# Altium PCB power-v3.3.PcbDoc (part 1 of 3) (continued)
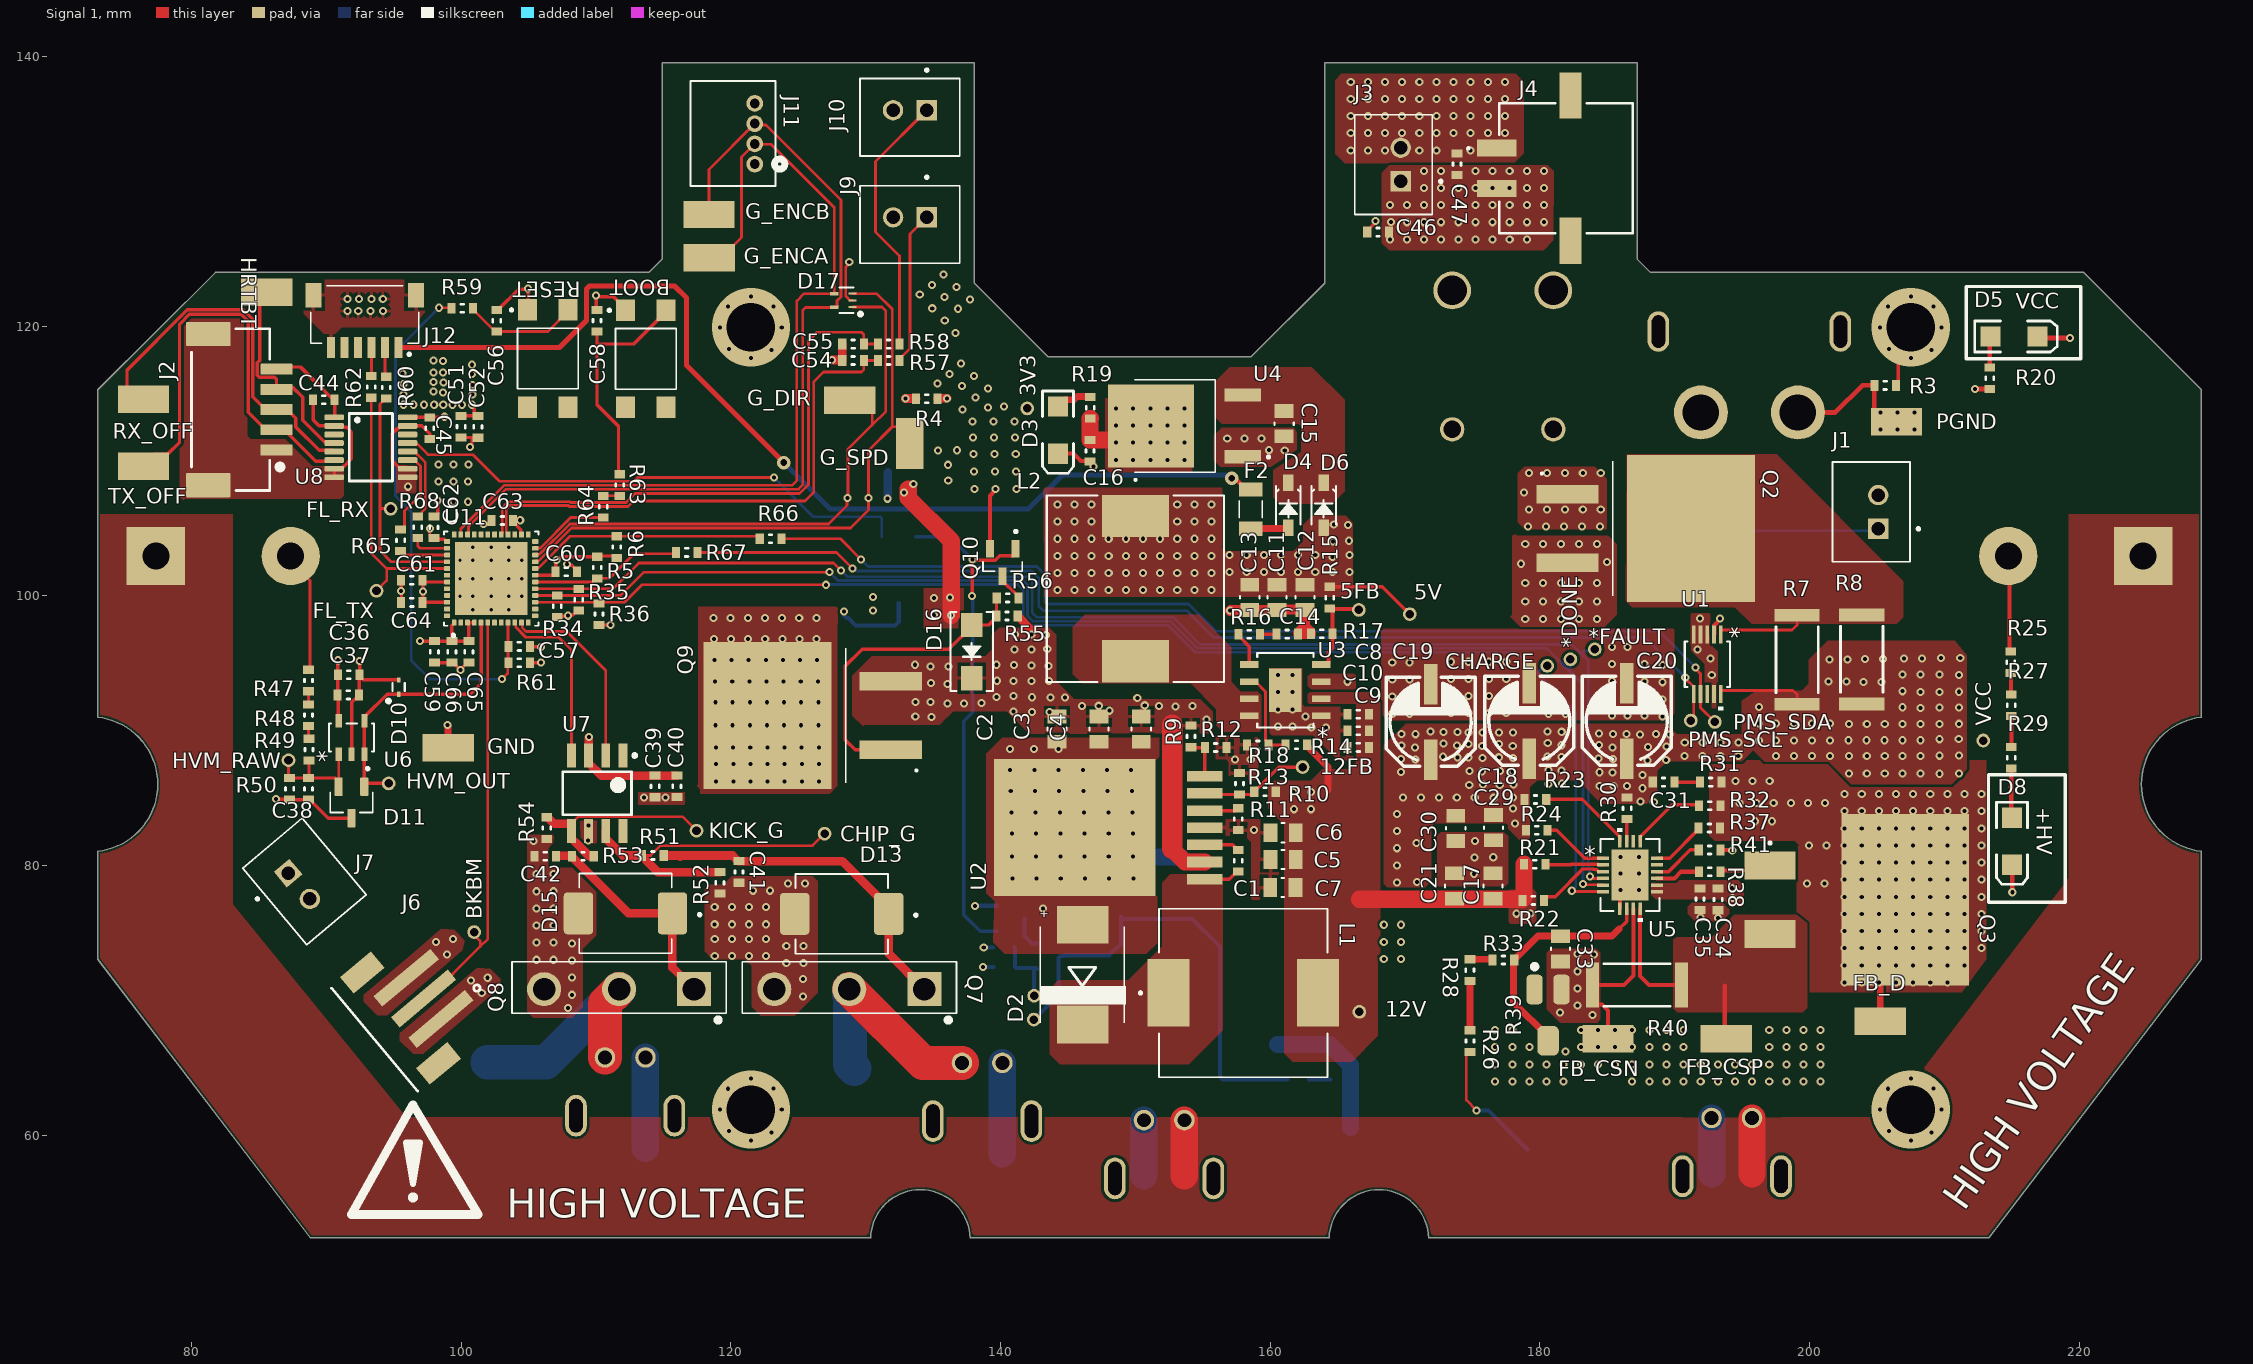
[diagram p0: Signal 1 view]
## Design rules (kind name [scope] priority, off if disabled: settings) (continued)
PolygonConnect "VCC MOS CONN" [All vs IsNamedPolygon('VCC_L01_P049')] p21: connectstyle=Direct reliefconductorwidth=0.254 reliefentries=4 polygonreliefangle="90 Angle" airgapwidth=0.254
PolygonConnect "PGND 12V" [All vs IsNamedPolygon('PGND_L01_P048')] p22: connectstyle=Direct reliefconductorwidth=0.254 reliefentries=4 polygonreliefangle="90 Angle" airgapwidth=0.254
PolygonConnect "VCC Conn n 12V" [All vs IsNamedPolygon('VCC_L01_P046')] p23: thpad.connectstyle=Direct thpad.reliefconductorwidth=0.254 thpad.reliefentries=4 thpad.polygonreliefangle="90 Angle" thpad.airgapwidth=0.254 smdpad.connectstyle=Relief smdpad.reliefconductorwidth=0.254 smdpad.reliefentries=4 smdpad.polygonreliefangle="90 Angle" smdpad.airgapwidth=0.254 via.connectstyle=Direct via.reliefconductorwidth=0.254 via.reliefentries=4 via.polygonreliefangle="90 Angle" via.airgapwidth=0.254
PolygonConnect "3V3 Full" [All vs IsNamedPolygon('3V3_L03_P027')] p24: thpad.connectstyle=Direct thpad.reliefconductorwidth=0.254 thpad.reliefentries=4 thpad.polygonreliefangle="90 Angle" thpad.airgapwidth=0.254 smdpad.connectstyle=Relief smdpad.reliefconductorwidth=0.254 smdpad.reliefentries=4 smdpad.polygonreliefangle="90 Angle" smdpad.airgapwidth=0.254 via.connectstyle=Direct via.reliefconductorwidth=0.254 via.reliefentries=4 via.polygonreliefangle="90 Angle" via.airgapwidth=0.254
PolygonConnect "VCC FULL" [All vs IsNamedPolygon('VCC_L03_P041')] p25: thpad.connectstyle=Direct thpad.reliefconductorwidth=0.254 thpad.reliefentries=4 thpad.polygonreliefangle="90 Angle" thpad.airgapwidth=0.254 smdpad.connectstyle=Relief smdpad.reliefconductorwidth=0.254 smdpad.reliefentries=4 smdpad.polygonreliefangle="90 Angle" smdpad.airgapwidth=0.254 via.connectstyle=Direct via.reliefconductorwidth=0.254 via.reliefentries=4 via.polygonreliefangle="90 Angle" via.airgapwidth=0.254
PolygonConnect "Power Input" [All vs IsNamedPolygon('NETD1_1_L01_P037') Or IsNamedPolygon('NETD1_2_L01_P034') Or IsNamedPolygon('VCC_L01_P042') Or IsNamedPolygon('VCC_RPP_L01_P038') Or IsNamedPolygon('NETD1_1_L04_P035') Or IsNamedPolygon('NETD1_2_L04_P033')] p26: connectstyle=Direct reliefconductorwidth=0.254 reliefentries=4 polygonreliefangle="90 Angle" airgapwidth=0.254
PolygonConnect "PGND FULL" [All vs IsNamedPolygon('PGND_L02_P004')] p27: connectstyle=Direct reliefconductorwidth=0.254 reliefentries=4 polygonreliefangle="90 Angle" airgapwidth=0.254
PolygonConnect "HV Bay" [All vs IsNamedPolygon('+HV_L03_P032')] p28: connectstyle=Direct reliefconductorwidth=0.254 reliefentries=4 polygonreliefangle="90 Angle" airgapwidth=0.254
PolygonConnect GND_Connect [All vs IsNamedPolygon('GND_L02_P005')] p29: connectstyle=Direct reliefconductorwidth=0.254 reliefentries=4 polygonreliefangle="90 Angle" airgapwidth=0.254
PolygonConnect GND_CONN [All vs IsNamedPolygon('GND_L01_P025') Or IsNamedPolygon('GND_L04_P024')] p30: connectstyle=Direct reliefconductorwidth=0.254 reliefentries=4 polygonreliefangle="90 Angle" airgapwidth=0.254
PolygonConnect PolygonConnect_1 [All vs IsNamedPolygon('5V_L03_P022') Or IsNamedPolygon('5V_L04_P023')] p31: connectstyle=Direct reliefconductorwidth=0.254 reliefentries=4 polygonreliefangle="90 Angle" airgapwidth=0.254
PolygonConnect VCC_PGND_CONN [All vs IsNamedPolygon('VCC_MOTOR_L01_P018') Or IsNamedPolygon('PGND_L02_P021') Or IsNamedPolygon('PGND_L04_P020') Or IsNamedPolygon('VCC_MOTOR_L04_P019')] p32: connectstyle=Direct reliefconductorwidth=0.254 reliefentries=4 polygonreliefangle="90 Angle" airgapwidth=0.254
PolygonConnect BARREL_GND [All vs IsNamedPolygon('GND_L04_P013') Or IsNamedPolygon('GND_L02_P014') Or IsNamedPolygon('GND_L01_P016') Or IsNamedPolygon('GND_L04_P015')] p33: connectstyle=Direct reliefconductorwidth=0.254 reliefentries=4 polygonreliefangle="90 Angle" airgapwidth=0.254
PolygonConnect "5V Reg Plane" [All vs IsNamedPolygon('5V_L01_P008') Or IsNamedPolygon('5V_L03_P006') Or IsNamedPolygon('5V_L03_P010') Or IsNamedPolygon('5V_L01_P011')] p34: connectstyle=Direct reliefconductorwidth=0.254 reliefentries=4 polygonreliefangle="90 Angle" airgapwidth=0.254
PolygonConnect [All] p35: connectstyle=Relief reliefconductorwidth=0.254 reliefentries=4 polygonreliefangle="90 Angle" airgapwidth=0.254
RoomDefinition U_power-input [InComponentClass('U_power-input')] p1: confinementstyle=ConfineIn formatcopy=TRUE lockcomponents=FALSE outline 245.613,139.039 250.67,133.983 250.67,41.582 56.906,41.582 48.631,49.857 48.631,150.072
RoomDefinition U_chicker [InComponentClass('U_chicker')] p2: confinementstyle=ConfineIn formatcopy=TRUE lockcomponents=FALSE outline 98,0 145,0 145,98 98,98
RoomDefinition U_geneva-interface [InComponentClass('U_geneva-interface')] p3: confinementstyle=ConfineIn formatcopy=TRUE lockcomponents=FALSE outline 113,107 139,107 139,145 113,145
RoomDefinition U_regulation [InComponentClass('U_regulation')] p4: confinementstyle=ConfineIn formatcopy=TRUE lockcomponents=FALSE outline 139,63 323,63 323,132 139,132
RoomDefinition U_Power-MCU-Breakout [InComponentClass('U_Power-MCU-Breakout')] p5: confinementstyle=ConfineIn formatcopy=TRUE lockcomponents=FALSE outline 59,47.822 183.616,47.822 183.616,142 59,142
RoomDefinition U_HV-Measurement [InComponentClass('U_HV-Measurement')] p6: confinementstyle=ConfineIn formatcopy=TRUE lockcomponents=FALSE outline 84,82 98,82 98,95 84,95
RoomDefinition U_flyback [InComponentClass('U_flyback')] p7: confinementstyle=ConfineIn formatcopy=TRUE lockcomponents=FALSE outline 68,7 307.222,7 307.222,117 68,117
RoomDefinition U_communication [InComponentClass('U_communication')] p8: confinementstyle=ConfineIn formatcopy=TRUE lockcomponents=FALSE outline 49.979,151.586 46.236,147.842 46.236,30.665 294.816,30.665 299.683,35.532 295.19,40.024 295.19,155.704
RoomDefinition U_breakbeam-interface [InComponentClass('U_breakbeam-interface')] p9: confinementstyle=ConfineIn formatcopy=TRUE lockcomponents=FALSE outline 58.17,59 253.918,59 253.918,149.326 58.17,149.326
RoomDefinition U_auto-discharge [InComponentClass('U_auto-discharge')] p10: confinementstyle=ConfineIn formatcopy=TRUE lockcomponents=FALSE outline 138,43 167,43 167,82 138,82
RoutingCorners [All] p1: cornerstyle=Round minsetback=2.54 maxsetback=2.54
RoutingVias [All] p1: holewidth=0.5 width=1 viastyle="Through Hole" minholewidth=0.2 minwidth=0.45 maxholewidth=1 maxwidth=2
SilkToSilkClearance [All] p1: silktosilkclearance=0.1
SilkToSolderMaskClearance [IsPad] p1: minsilkscreentomaskgap=0.1 clearancetoexposedcopper=TRUE
SolderMaskExpansion [All] p1: expansion=0.102 istentingtop=FALSE
Width [All] p1: maxlimit=5.08 minlimit=0.089 preferedwidth=0.381 minimp=50.000000 maximp=50.000000 favimp=50.000000
25 further rules are at their usual default settings.

## Classes and differential pairs
component class U_regulation: 3V3 5FB 5V 12FB 12V C1 C2 C3 C4 C5 C6 C7 C8 C9 C10 C11 C12 C13 C14 C15 C16 D2 D3 D4 D5 D6 F2 L1 L2 R9 R10 R11 R12 R13 R14 R15 R16 R17 R18 R19 R20 U2 U3 U4
component class U_Power-MCU-Breakout: BOOT C56 C57 C58 C59 C60 C61 C62 C63 C64 C65 C66 FL_RX FL_TX J12 R59 R60 R61 R62 R63 R64 R65 R68 RESET U11
component class U_power-input: D1 F1 GND J1 P1 PGND PMS_SCL PMS_SDA Q1 Q2 R1 R2 R3 R4 R5 R6 R7 R8 R66 R67 U1
component class U_HV-Measurement: C36 C37 C38 D10 D11 HVM_OUT HVM_RAW R47 R48 R49 R50 U6
component class U_geneva-interface: C54 C55 D17 G_DIR G_ENCA G_ENCB G_SPD J8 J9 J10 J11 R57 R58
component class U_flyback: 2 *DONE *FAULT +HV C17 C18 C19 C20 C21 C22 C23 C24 C25 C26 C27 C28 C29 C30 C31 C32 C33 C34 C35 CHARGE D7 D8 FB_CSN FB_CSP FB_D PHV1 PHV2 Q3 R21 R22 R23 R24 R25 R26 R27 R28 R29 R30 R31 R32 R33 R34 R35 R36 R37 R38 R39 R40 R41 T1 U5 VCC
component class U_communication: C44 C45 C46 C47 C48 C49 C50 C51 C52 C53 D16 HRTBT J2 J3 J4 J5 Q9 Q10 R55 R56 RX_OFF TX_OFF U8 U9
component class U_chicker: C39 C40 C41 C42 CHIP_G D12 D13 D14 D15 KICK_G P2 P3 Q7 Q8 R51 R52 R53 R54 U7
component class U_breakbeam-interface: BKBM J6 J7
component class U_auto-discharge: AD_D AD_VCC D9 Q4 Q5 Q6 R42 R43 R44 R45 R46

## Components (designator, comment, footprint, x,y, rotation, side; value= is the part's Value field where it differs from the comment)
3V3 "Test Point (Via)" TP 141.982,113.902 r90 top
5FB "Test Point (Via)" TP 166.568,98.963 r90 top
5V "Test Point (Via)" TP 170.347,98.653 r0 top
12FB "Test Point (Via)" TP 162.396,87.312 r90 top
12V "Test Point (Via)" TP 166.608,69.163 r90 top
*DONE "Test Point (Via)" TP 182.257,95.302 r90 top
*FAULT "Test Point (Via)" TP 184.065,96.05 r90 top
+HV "Test Point - 5019" TP380X203 161.951,56.863 r270 bottom
AD_D "Test Point (Via)" TP 142.471,68.59 r180 bottom
AD_VCC "Test Point (Via)" TP 142.498,70.356 r180 bottom
BKBM "Test Point (Via)" TP 100.975,75.078 r180 top
BOOT "TL3305AF260QG" SW_TL3305AF260QG 113.701,117.576 r0 top
C1 "10nF 50V" 0603 157.624,80.355 r90 top value=10nF
C2 "10uF 35V" 0805 144.186,90.126 r270 top value=10uF
C3 "10uF 35V" 0805 147.313,90.126 r270 top value=10uF
C4 "1uF 35V" 0805 150.44,90.126 r270 top value=1uF
C5 "22uF" 0805 160.955,80.463 r0 top
C6 "22uF" 0805 160.955,82.44 r0 top
C7 "22uF" 0805 160.936,78.378 r0 top
C8 "10uF" 0603 166.536,91.224 r0 top
C9 "10uF" 0603 166.536,88.773 r180 top
C10 "0.10uF" 0603 166.536,90.009 r180 top
C11 "22uF" 0805 160.504,99.9 r270 top
C12 "22uF" 0805 162.586,99.9 r270 top
C13 "22uF" 0805 158.486,99.9 r270 top
C14 "1.5nF" 0603 161.261,97.174 r180 top
C15 "10uF 35V" 0805 161.033,112.772 r270 top value=10uF
C16 "10uF" 0603 146.634,110.757 r90 top
C17 "10uF 35V" 0805 176.515,78.497 r270 top value=10uF
C18 "100uF 35V" "CAP POL ALU 6.3x5.8" 179.212,90.713 r270 top value=10uF
C19 "100uF 35V" "CAP POL ALU 6.3x5.8" 171.89,90.647 r270 top value=10uF
C20 "100uF 35V" "CAP POL ALU 6.3x5.8" 186.439,90.713 r270 top value=10uF
C21 "0.10uF" 0805 173.662,78.497 r270 top
C22 "1000uF 250V" "RADIAL, CAN - THRU 25.4mm" 77.37,102.96 r0 bottom locked
C23 "1000uF 250V" "RADIAL, CAN - THRU 25.4mm" 224.73,102.96 r180 bottom
C24 "10uF 35V" 0805 167.043,85.86 r0 bottom value=10uF
C25 "10uF 35V" 0805 167.043,81.684 r0 bottom value=10uF
C26 "10uF 35V" 0805 167.043,79.596 r0 bottom value=10uF
C27 "10uF 35V" 0805 167.043,77.508 r0 bottom value=10uF
C28 "10uF 35V" 0805 167.043,83.772 r0 bottom value=10uF
C29 "10uF 35V" 0805 176.546,82.818 r90 top value=10uF
C30 "0.10uF" 0805 173.752,82.771 r90 top
C31 "2.2uF" 0603 189.164,86.195 r180 top
C32 "0.1uF" 1210 184.49,62.315 r90 bottom
C33 "0.10uF" 0805 181.525,73.837 r270 top
C34 "10uF" 0603 193.207,77.495 r270 top
C35 "0.10uF" 0603 191.869,77.514 r90 top
C36 "1.0uF" 0603 91.676,94.161 r180 top
C37 "0.010uF" 0603 91.646,92.661 r0 top
C38 "0.010uF" 0603 88.693,85.701 r90 top
C39 "1.0uF" 0603 114.394,85.878 r270 top
C40 "0.10uF" 0603 116.006,85.88 r270 top
C41 "0.1uF 25V" 0603 120.611,79.535 r90 top value=0.1uF
C42 "0.1uF 25V" 0603 106.253,80.704 r0 top value=0.1uF
C44 "0.10uF" 0603 89.812,114.552 r0 top
C45 "0.10uF" 0603 97.674,112.44 r90 top
C46 "0.1uF 25V" 0603 167.992,126.98 r0 top value=0.1uF
C47 "0.1uF 25V" 0603 173.847,132.02 r270 top value=0.1uF
C48 "0.1uF 25V" 0603 116.242,111.472 r225 bottom value=0.1uF
C49 "0.1uF 25V" 0603 115.378,112.336 r225 bottom value=0.1uF
C50 "0.1uF 25V" 0603 117.106,110.608 r225 bottom value=0.1uF
C51 "0.1uF 25V" 0603 100.003,112.546 r90 top value=0.1uF
C52 "0.1uF 25V" 0603 101.253,112.533 r90 top value=0.1uF
C53 "0.1uF 25V" 0603 128.612,99.165 r270 bottom value=0.1uF
C54 "0.10uF" 0603 129.07,117.454 r180 top
C55 "0.10uF" 0603 129.07,118.672 r180 top
C56 "0.10uF" 0603 102.643,120.406 r270 top
C57 "0.10uF" 0603 104.328,96.262 r180 top
C58 "0.10uF" 0603 110.085,120.406 r270 top
C59 "4.7uF" 0603 98.028,95.853 r90 top
C60 "1.0uF" 0603 107.81,101.788 r180 top
C61 "1.0uF" 0603 96.357,101.16 r0 top
C62 "1.0uF" 0603 97.987,105.09 r270 top
C63 "1.0uF" 0603 103.062,105.595 r0 top
C64 "1.0uF" 0603 96.357,99.52 r0 top
C65 "1.0uF" 0603 100.587,95.853 r90 top
C66 "1.0uF" 0603 99.326,95.862 r90 top
CHARGE "Test Point (Via)" TP 180.541,94.818 r90 top
CHIP_G "Test Point (Via)" TP 126.957,82.373 r90 top
D1 "SMAZ12-13-F" SMA_DIO-L 188.041,104.92 r90 bottom
D2 "SK58L-TP" DIOSC6959X240 146.108,71.918 r90 top
D3 "LED2" 3.2X1.6X1.1 144.264,112.298 r270 top
D4 "SM5817PL-TP" SOD-123 161.34,106.718 r270 top
D5 "LED2" 3.2X1.6X1.1 215.147,119.243 r0 top
D6 "SM5817PL-TP" SOD-123 163.962,106.718 r270 top
D7 "VS-5EWH06FN-M3" "DPAK (TO-252)" 176.439,58.968 r90 bottom
D8 "LED2" 3.2X1.6X1.1 215.004,81.812 r270 top
D9 "3SMBJ5929B-TP" DO-214AA 148.922,78.434 r90 bottom
D10 "NZ9F3V3T5G" SOD-923_0P6X0P85_ONS 95.37,92.709 r90 top
D11 "SM3.3H-TP" SOT-23A-3 92.828,85.86 r270 top
D12 "MUR860J" DO-214AB-DIODES 129.165,58.345 r90 bottom
D13 "SMCJ14A" DIOM7959X262N 128.225,76.431 r180 top
D14 "MUR860J" DO-214AB-DIODES 101.957,58.826 r90 bottom
D15 "SMCJ14A" DIOM7959X262N 112.192,76.469 r180 top
D16 "SMAZ12-13-F" SMA_DIO-L 137.864,95.873 r90 top
D17 "df5a5.6cje" ESV_TOS-L 128.347,121.916 r180 top
F1 "3557-2" FUSE-3549-2 177.243,122.657 r0 bottom
F2 "Fuse 3A 1206" 1206 158.55,106.439 r270 top
FB_CSN "Test Point - 5019" TP380X203 185.037,67.157 r180 top
FB_CSP "Test Point - 5019" TP380X203 193.804,67.157 r180 top
FB_D "Test Point - 5019" TP380X203 205.226,68.479 r0 top
FL_RX "Test Point (Via)" TP 94.781,106.46 r180 top
FL_TX "Test Point (Via)" TP 93.734,100.377 r180 top
G_DIR "Test Point - 5019" TP380X203 128.823,114.498 r0 top
G_ENCA "Test Point - 5019" TP380X203 118.413,125.08 r0 top
G_ENCB "Test Point - 5019" TP380X203 118.381,128.28 r0 top
G_SPD "Test Point - 5019" TP380X203 133.259,111.311 r270 top
GND "Test Point - 5019" TP380X203 99.046,88.732 r0 top
HRTBT "Test Point - 5019" TP380X203 85.602,122.528 r0 top
HVM_OUT "Test Point (Via)" TP 94.639,86.099 r0 top
HVM_RAW "Test Point (Via)" TP 87.211,87.817 r0 top
J1 "CN HDR 2POS JST XH" JST_B2B-XH-A(LF)(SN) 204.561,106.229 r90 top
J2 "BM05B-ZESS-TBT(LF)(SN)" "JST ZE SMT 5POS" 83.568,113.817 r270 top
J3 "CN HDR 2POS JST XH" JST_B2B-XH-A(LF)(SN) 169.149,131.987 r90 top
J4 "0436500214" 43650-0214 186.871,131.715 r90 top
J5 "430451010" CON_430451010_MOL 102.761,121.246 r0 bottom
J6 "B3B-PH-SM4-TB(LF)(SN)" JST_B3B-PH-SM4-TB(LF)(SN) 95.501,68.713 r130 top
J7 "CN HDR 2POS JST XH" JST_B2B-XH-A(LF)(SN) 88.389,78.828 r310 top
J8 "S5B-ZR-SM4A-TF (LF) (SN)" JST_S5B-ZR-SM4A-TF 134.655,109.174 r180 bottom
J9 "CN HDR 2POS JST XH" JST_B2B-XH-A(LF)(SN) 133.288,127.548 r180 top
J10 "CN HDR 2POS JST XH" JST_B2B-XH-A(LF)(SN) 133.285,135.491 r180 top
J11 "S4B-ZR(LF)(SN)" "CN S4B-ZR(LF)(SN)_JST" 121.78,132.019 r270 top
J12 "SM06B-SRSS-TB(LF)(SN)" JST_SM06B-SRSS-TB(LF)(SN) 92.858,118.418 r180 top
KICK_G "Test Point (Via)" TP 117.461,82.594 r90 top
L1 "SRP1265A-330M" IND_SRP1265A-330M 158.002,70.564 r0 top
L2 "IHLP5050CEER3R3M01" IND_IHLP-5050CE_VIS 150.01,100.539 r270 top
P1 "XT60" Amass_XT60PW-M 195.529,113.604 r180 bottom value=N/A
P2 "4365002" 43650-02 138.641,61.059 r180 bottom value=N/A
P3 "4365002" 43650-02 112.175,61.463 r180 bottom value=N/A
PGND "Test Point - 5019" TP380X203 206.436,112.925 r180 top
PHV1 "4365002" 43650-02 152.135,56.814 r180 bottom value=N/A
PHV2 "4365002" 43650-02 194.224,56.974 r180 bottom value=N/A
PMS_SCL "Test Point (Via)" TP 191.187,90.76 r90 top
PMS_SDA "Test Point (Via)" TP 192.965,90.659 r90 top
Q1 "IPB80P03P4L-04" IPB80P03P4L04 175.301,104.942 r270 bottom
Q2 "IPB80P03P4L-04" IPB80P03P4L04 188.337,104.998 r270 top
Q3 "FDB52N20TM" "D2PAK (TO-263) (2)" 197.054,80.019 r0 top
Q4 "STD16N65M2" "DPAK (TO-252)" 157.525,78.346 r90 bottom
Q5 "TN2130K1-G" SOT95P237X112-3N 143.726,73.29 r0 bottom
Q6 "TN2130K1-G" SOT95P237X112-3N 140.768,76.082 r0 bottom
Q7 "FGY75N60SMD" "TO-247-3 - FaceDown" 134.351,70.841 r180 top
Q8 "FGY75N60SMD" "TO-247-3 - FaceDown" 117.28,70.846 r180 top
Q9 "IPB80P03P4L-04" IPB80P03P4L04 125.564,91.14 r90 top
Q10 "TN2130K1-G" SOT95P237X112-3N 140.164,102.483 r270 top
R1 "100k" 0603 192.014,106.981 r270 bottom
R2 "100k" 0603 192.014,104.044 r90 bottom
R3 "5.1M" 0603 205.591,115.609 r0 top
R4 "JUMPER" 0603 134.537,114.624 r0 top value=0
R5 "4.7k" 0603 110.105,102.106 r90 top
R6 "4.7k" 0603 111.551,103.627 r270 top
R7 "2mOHM" 2512 199.07,95.269 r90 top
R8 "2mOHM" 2512 203.854,95.299 r90 top
R9 "47k" 0603 154.126,89.585 r90 top
R10 "8.45k" 0603 159.612,85.478 r180 top
R11 "383k" 0603 157.635,83.461 r90 top
R12 "10k" 0603 155.956,88.764 r180 top
R13 "1k" 0603 157.72,86.081 r90 top
R14 "100k" 0603 161.945,88.961 r0 top
R15 "4.3k" 0603 164.415,99.879 r90 top
R16 "47k" 0603 158.451,97.155 r0 top
R17 "820" 0603 163.831,97.19 r0 top
R18 "47k" 0603 159.086,88.95 r0 top
R19 "110" 0603 146.662,113.954 r270 top
R20 "1.96K" 0603 213.349,116.139 r270 top value=1.96k
R21 "174k" 0603 179.612,80.105 r180 top
R22 "255k" 0603 179.512,77.427 r180 top
R23 "330k" 0603 179.668,84.904 r180 top
R24 "495k" 0603 179.771,82.629 r180 top
R25 "100k" 0603 214.903,95.085 r90 top
R26 "100k" 0603 174.81,67 r270 top
R27 "100k" 0603 214.95,91.891 r90 top
R28 "100k" 0603 174.803,72.259 r270 top
R29 "100k" 0603 214.945,88.014 r90 top
R30 "25.5k" 0603 186.459,84.251 r270 top
R31 "100k" 0603 192.661,86.201 r0 top
R32 "11.5k" 0603 192.6,84.447 r180 top
R33 "100k" 0603 177.292,73.009 r180 top
R34 "100k" 0603 107.135,99.227 r90 top
R35 "100k" 0603 108.736,99.73 r90 top
R36 "10k" 0603 110.233,98.649 r90 top
R37 "25.5k" 0603 192.556,82.798 r180 top
R38 "JUMPER" 0603 192.597,79.554 r180 top value=0
R39 "ADJ 200" "POT SMD" 180.599,69.017 r180 top
R40 "7mOHM" 2512 187.187,71.164 r0 top
R41 "1.05k" 0603 192.574,81.166 r180 top
R42 "5.1M" 0603 165.248,64.158 r0 bottom
R43 "1k 50W" "D2PAK (TO-263)" 154.139,69.269 r270 bottom value=1.5k
R44 "5.1M" 0603 162.066,64.158 r0 bottom
R45 "270k" 0603 140.246,73.934 r180 bottom
R46 "100k" 0603 140.287,72.482 r0 bottom
R47 "330k" 0603 88.695,93.731 r90 top
R48 "330k" 0603 88.695,91.166 r90 top
R49 "330k" 0603 88.727,88.61 r90 top
R50 "13k" 0603 87.288,85.701 r270 top
R51 "110" 0603 114.23,80.753 r180 top
R52 "10k" 0603 119.195,78.726 r270 top
R53 "110" 0603 109.044,80.705 r0 top
R54 "10k" 0603 106.355,82.793 r270 top
R55 "47k" 0603 140.483,98.51 r180 top
R56 "100k" 0603 140.525,99.853 r0 top
R57 "JUMPER" 0603 131.708,117.454 r180 top value=0
R58 "JUMPER" 0603 131.708,118.672 r180 top value=0
R59 "JUMPER" 0603 100.093,121.337 r0 top value=0
R60 "1k" 0603 94.45,115.453 r270 top
R61 "10k" 0603 104.328,95.047 r180 top
R62 "1k" 0603 93.341,115.494 r270 top
R63 "JUMPER" 0603 111.768,108.223 r90 top value=0
R64 "JUMPER" 0603 110.553,106.623 r90 top value=0
R65 "1k" 0603 95.52,104.123 r270 top
R66 "200" 0603 122.951,104.247 r180 top
R67 "200" 0603 116.728,103.228 r180 top
R68 "1k" 0603 96.787,105.101 r90 top
RESET "TL3305AF260QG" SW_TL3305AF260QG 106.443,117.606 r0 top
RX_OFF "Test Point - 5019" TP380X203 76.463,114.574 r180 top
T1 "DA2034" DA2034 186.385,79.224 r0 bottom
TX_OFF "Test Point - 5019" TP380X203 76.463,109.607 r180 top
U1 "LTC4151IMS#PBF" MSOP-10_MS_LIT 192.411,94.933 r270 top
U2 "LM22677TJ-ADJ" TO127P1435X210-8N 146.662,82.817 r90 top
U3 "BD9C601EFJ-E2" HTSOP-J8_ROM-BD9C601EFJ-E2 161.119,93.012 r180 top
U4 "ZLDO1117K33TC" "DPAK (TO-252)" 153.774,112.605 r90 top
U5 "LT3751IUFD#PBF" QFN-20_UFD_LIT-M 186.675,79.307 r0 top
U6 "MCP6231UT-E/OT" SOT-23-5_MC_MCH-L 90.937,88.254 r90 top
U7 "MCP14A0454T-E/SN" 8-SOIC 110.097,85.372 r270 top
U8 "ADUM141D1BRQZ" SOP64P600X175-16N 93.313,111.023 r0 top
U9 "ADM706SARZ-REEL" SOIC127P600X175-8N 131.824,101.935 r90 bottom
U11 "ESP32-PICO-D4" PQFN50P700X700X104-49N 102.239,101.283 r90 top locked
VCC "Test Point (Via)" TP 212.868,89.279 r90 top

## Footprints (in the part's own frame and the unit in brackets; to place one, negate y for a bottom-side part, rotate by r counter-clockwise, add the part's x,y. Pads: shape width x height; smd on the part's side, far side on the other; paste and mask are expansions set on the pad)
3.2X1.6X1.1 [mm]
  rect 1.5x1.5 smd: 1(-1.75,0) 2(1.75,0)
  silkscreen extent -2.9,-1.15 3.2,1.15, body extent -1.68,-0.75 1.52,0.85, height 1.04
8-SOIC [mm]
  rect 1.75x0.65 smd: 1(-2.8,1.905) 2(-2.8,0.635) 3(-2.8,-0.635) 4(-2.8,-1.905) 5(2.8,-1.905) 6(2.8,-0.635) 7(2.8,0.635) 8(2.8,1.905)
  silkscreen extent -2.92,-2.55 1.6,2.91, body extent -2,-2.55 2,2.55, height 1.7
0603 [mm] "Chip Resistor, 2-Leads, Body 1.60x0.80mm, IPC High Density"
  rect 0.6x0.8 smd mask+0.1: 1(-0.8,0) 2(0.8,0)
  silkscreen extent -0.1,-0.3 0.1,0.3, body extent -0.8,-0.4 0.8,0.4, height 0.6
0805 [mil]
  rect 40x55 smd: 1(-37,0) 2(37,0)
  silkscreen extent -4,-28 4,28, body extent -47,-28 47,28, height 24
1206 [mm]
  rect 1.05x1.72 smd: 1(-1.46,0) 2(1.46,0)
  silkscreen extent -0.62,-0.85 0.62,0.85, body extent -1.6,-0.8 1.6,0.8, height 1.61
1210 [mm]
  rect 1.16x2.72 smd: 1(-1.475,0) 2(1.475,0)
  silkscreen extent -0.57,-1.35 0.57,1.35, body extent -1.6,-1.25 1.6,1.25, height 1.61
2512 [mm] "Chip Resistor, 2-Leads, Body 6.35x3.10mm, IPC Low Density"
  rect 0.95x3.35 smd: 1(-3.3,0) 2(3.3,0)
  silkscreen extent -2.45,-1.58 2.45,1.58, body extent -3.22,-1.63 3.22,1.63, height 0.6
43650-02 [mm] "Molex Microfit 2PIN RightAngle Thru"
  round 1.52 hole 1.02: 1(-1.5,4.32) 2(1.5,4.32)
  oval 1.6x3.1 hole 1 slot 2.49 at 90 deg: NC(-3.65,0) NC(3.65,0)
  silkscreen extent -5.96,-4.2 5.6,5.96, body extent -4.82,-4.55 4.82,5.35, height 2.7
43650-0214 [mm]
  rect 1.27x2.92 smd: 1(1.5,10.07) 2(-1.5,10.07)
  rect 3.43x1.65 smd: 3(-5.385,4.6) 4(5.385,4.6)
  silkscreen extent -4.82,0 4.82,12.24, body extent -6.83,0.05 6.83,10.79, height 5.68
Amass_XT60PW-M [mm] "Right angle XT60 Male Socket"
  round 4 hole 2.7: 1(-3.6,0) 2(3.6,0)
  rrect100% 1.6x3 hole 1 slot 2.4 at 90 deg: Un1(6.75,6) Un2(-6.75,6)
  silkscreen extent -7.76,-1.85 7.76,15.42, body extent -7.95,-1.95 7.95,16.3, height 8.4
"CAP POL ALU 6.3x5.8" [mm]
  rect 3x1 smd: NEG(-2.818,-0.003) POS(2.782,-0.003)
  silkscreen extent -3.32,-3.3 3.28,3.3, body extent -3.5,-3.3 3.5,3.3, height 5.4
"CN S4B-ZR(LF)(SN)_JST" [mil]
  round 49 hole 29 mask+0: 1(0,0) 2(-59.06,0) 3(-118.11,0) 4(-177.17,0)
  silkscreen extent -243,-188 64,88, body extent -235,-181 60,55, height 146
CON_430451010_MOL [mm]
  rect 1.27x2.92 smd paste+0 mask+0.076: 1(6,5.115) 2(3,5.115) 3(0,5.115) 4(-3,5.115) 5(-6,5.115) 6(6,9.745) 7(3,9.745) 8(0,9.745) 9(-3,9.745) 10(-6,9.745)
  rect 3.43x1.65 smd paste+0 mask+0.076: S1(9.875,-0.355) S2(-9.895,-0.355)
  silkscreen extent -11.32,-4.95 12.59,10.45, body extent -11.32,-4.96 11.32,10.45, height 8.77
"D2PAK (TO-263)" [mm]
  rect 1.06x3.78 smd: 1(-2.54,-6.4) 2(2.54,-6.4)
  rect 6.39x8 smd paste-5 mask+0: 3(0,4.29)
  silkscreen extent -5.34,-7.05 5.32,-3.24, body extent -5.08,-7.62 5.08,7.62, height 4.83
"D2PAK (TO-263) (2)" [mm]
  rect 3.81x2.08 smd: 1(0,0) 3(0,-5.08)
  rect 9.45x12.7 smd paste-7: 2(10.033,-2.54)
  silkscreen extent -0.1,1.56 0.1,1.76, body extent -0.77,-7.46 13.82,2.36, height 4.22
DA2034 [mm]
  rect 3.7x1.27 smd: 1(-14.1,8.059) 2(-14.1,5.059) 3(-14.1,2.059) 4(-14.1,-0.941) 5(-14.1,-3.941) 6(-14.1,-6.941) 7(13.206,-6.941) 8(13.206,-3.941) 9(13.206,-0.941) 10(13.206,2.059) 11(13.206,5.059) 12(13.206,8.059)
  silkscreen extent -10.93,-9.73 10.07,10.85, body extent -14.82,-9.69 13.83,10.88, height 11.18
DIOM7959X262N [mm]
  rrect25% 2.18x3.12 smd: A(3.485,0) C(-3.485,0)
  silkscreen extent -5.6,-2.95 3.43,2.95, body extent -4.1,-3.13 3.95,3.13, height 2.94
DIOSC6959X240 [mm]
  rect 2.8x3.8 smd: A(3.7,0) C(-3.7,0)
  silkscreen extent -3.56,-3.19 3.56,3.15, body extent -4.05,-3.05 4,3.2, height 2.56
DO-214AA [mm]
  rect 2.4x2.4 smd: A(2.2,0) C(-2.2,0)
  silkscreen extent -2.26,-1.91 2.26,1.91, body extent -2.77,-1.97 2.77,1.97, height 2.56
DO-214AB-DIODES [mil]
  rect 70x125.98 smd: 1(0,0) 2(260,0)
  silkscreen extent -70,-124 330,123, body extent -29,-124 288,122, height 110
"DPAK (TO-252)" [mm]
  rect 0.98x2.74 smd: 1(-2.286,-4.191) 3(2.286,-4.191)
  rect 6.138x6.4 smd paste-4: 2(0,2.616)
  silkscreen extent -3.43,-6.2 3.43,3.81, body extent -3.25,-4.71 3.25,5.19, height 2.46
ESV_TOS-L [mil]
  rect 24x6 smd paste+0 mask+0: 1(-26.5,19.68) 2(-26.5,0) 3(-26.5,-19.69)
  rect 24x10 smd paste+0 mask+0: 4(26.5,-19.69) 5(26.5,19.68)
  silkscreen extent -55,-38 12,45, body extent -33,-33 33,33, height 24
FUSE-3549-2 [mm] "Keystone Miniblade FUSE_3549-2"
  round 2.8 hole 2.2: 1(-3.75,0) 4(3.75,0)
  round 1.8 hole 1.3: 2(-3.75,10.3) 3(3.75,10.3)
  silkscreen extent -9.2,-0.25 9.2,10.75, body extent -9.13,-0.02 8.9,10.45, height 5.84
HTSOP-J8_ROM-BD9C601EFJ-E2 [mil]
  rect 54x19 smd paste+0 mask+0: 1(-105,75) 2(-105,25) 3(-105,-25) 4(-105,-75) 5(105,-75) 6(105,-25) 7(105,25) 8(105,75)
  rect 95x126 smd paste-62.5 mask+0: EPAD(0,0)
  silkscreen extent -82,-109 82,109, body extent -118,-104 118,104, height 39
IND_IHLP-5050CE_VIS [mil]
  rect 123x195 smd paste+0 mask+0: 1(-212,0) 2(212,0)
  silkscreen extent -320,-259 273,259, body extent -267,-254 267,254, height 140
IND_SRP1265A-330M [mm]
  rect 3.1x5 smd: 1(-5.55,0) 2(5.55,0)
  silkscreen extent -7.72,-6.25 6.25,6.25, body extent -6.79,-6.45 6.79,6.45, height 3.56
IPB80P03P4L04 [mm]
  rect 1.35x4.6 smd: 1(-2.54,-6.3) 3(2.54,-6.3)
  rect 10.9x9.5 smd: 2(0,2.85)
  silkscreen extent -5,-8.25 5,-2.95, body extent -4.91,-7.72 4.91,6.87, height 4.22
"JST ZE SMT 5POS" [mm] "5 POS HDR JST ZE"
  rrect10% 1.8x3.3 smd: 0(-5.6,-2.3) 0(5.6,-2.3)
  rrect10% 0.8x2.4 smd: 1(3,2.75) 2(1.5,2.75) 3(0,2.75) 4(-1.5,2.75) 5(-3,2.75)
  silkscreen extent -6,-3.55 6,3, body extent -6,-2.9 6,4.1, height 7.51
JST_B2B-XH-A(LF)(SN) [mm]
  rect 1.508x1.508 hole 1: 1(-1.25,-0.525)
  round 1.508 hole 1: 2(1.25,-0.525)
  silkscreen extent -3.7,-3.6 3.7,2.88, body extent -3.7,-2.85 3.7,2.9, height 7.1
JST_B3B-PH-SM4-TB(LF)(SN) [mm]
  rect 1x5.5 smd: 1(-2,-2.25) 2(0,-2.25) 3(2,-2.25)
  rect 1.6x3 smd: 4(4.4,0) 5(-4.4,0)
  silkscreen extent -4.97,-6.01 4.97,2.5, body extent -4.97,-4.5 4.98,2.5, height 6.61
JST_S5B-ZR-SM4A-TF [mil]
  rect 28x118 smd paste+0: 1(0,0) 2(59.06,0) 3(118.11,0) 4(177.17,0) 5(236.22,0)
  rect 47x79 smd: 6(-49.21,153.62) 7(285.43,153.62)
  silkscreen extent -93,-41 330,233, body extent -88,-28 325,228, height 146
JST_SM06B-SRSS-TB(LF)(SN) [mm]
  rect 0.6x1.55 smd: 1(-2.5,0) 2(-1.5,0) 3(-0.5,0) 4(0.5,0) 5(1.5,0) 6(2.5,0)
  rect 1.2x1.8 smd: S1(-3.8,-3.875) S2(3.8,-3.875)
  silkscreen extent -4,-4.57 4,0.6, body extent -4,-4.67 4,0.28, height 2.91
MSOP-10_MS_LIT [mil]
  rect 52.5x11 smd paste+0 mask+0: 1(-87.25,39.4) 2(-87.25,19.7) 3(-87.25,0) 4(-87.25,-19.7) 5(-87.25,-39.4) 6(87.25,-39.4) 7(87.25,-19.7) 8(87.25,0) 9(87.25,19.7) 10(87.25,39.4)
  silkscreen extent -66,-66 134,66, body extent -96,-59 96,59, height 40
"POT SMD" [mm] "SMD Potentiometer NIDEC ST32EB"
  rrect50% 1.2x2.2 smd: 1(1,-1.8) 3(-1,-1.8)
  rrect50% 1.6x2.2 smd: 2(0,2)
  silkscreen extent 0.9,-3.6 1.1,-3.4, body extent -1.7,-2.2 1.7,2.2, height 2
PQFN50P700X700X104-49N [mm]
  rrect25% 0.45x0.35 smd: 1(-3.265,2.75) 2(-3.265,2.25) 3(-3.265,1.75) 4(-3.265,1.25) 5(-3.265,0.75) 6(-3.265,0.25) 7(-3.265,-0.25) 8(-3.265,-0.75) 9(-3.265,-1.25) 10(-3.265,-1.75) 11(-3.265,-2.25) 12(-3.265,-2.75) 25(3.265,-2.75) 26(3.265,-2.25) 27(3.265,-1.75) 28(3.265,-1.25) 29(3.265,-0.75) 30(3.265,-0.25) 31(3.265,0.25) 32(3.265,0.75) 33(3.265,1.25) 34(3.265,1.75) 35(3.265,2.25) 36(3.265,2.75)
  rrect25% 0.35x0.45 smd: 13(-2.75,-3.265) 14(-2.25,-3.265) 15(-1.75,-3.265) 16(-1.25,-3.265) 17(-0.75,-3.265) 18(-0.25,-3.265) 19(0.25,-3.265) 20(0.75,-3.265) 21(1.25,-3.265) 22(1.75,-3.265) 23(2.25,-3.265) 24(2.75,-3.265) 37(2.75,3.265) 38(2.25,3.265) 39(1.75,3.265) 40(1.25,3.265) 41(0.75,3.265) 42(0.25,3.265) 43(-0.25,3.265) 44(-0.75,3.265) 45(-1.25,3.265) 46(-1.75,3.265) 47(-2.25,3.265) 48(-2.75,3.265)
  rect 5.4x5.4 smd paste-4: 49(0,0)
  silkscreen extent -4.3,-3.5 3.5,3.5, body extent -3.5,-3.5 3.5,3.5, height 1.04
QFN-20_UFD_LIT-M [mm]
  rect 0.906x0.249 smd paste+0 mask+0: 1(-2.003,1.25) 2(-2.003,0.75) 3(-2.003,0.25) 4(-2.003,-0.25) 5(-2.003,-0.75) 6(-2.003,-1.25) 11(2.003,-1.25) 12(2.003,-0.75) 13(2.003,-0.25) 14(2.003,0.25) 15(2.003,0.75) 16(2.003,1.25)
  rect 0.249x0.906 smd paste+0 mask+0: 7(-0.75,-2.503) 8(-0.25,-2.503) 9(0.25,-2.503) 10(0.75,-2.503) 17(0.75,2.503) 18(0.25,2.503) 19(-0.25,2.503) 20(-0.75,2.503)
  rect 2.75x3.75 smd paste-1.862 mask+0: 21(0,0)
  silkscreen extent -2.18,-3.46 2.18,3.46, body extent -2.05,-2.55 2.05,2.55, height 0.8
"RADIAL, CAN - THRU 25.4mm" [mil]
  rect 170x170 hole 78.74: NEG(0,0)
  round 170 hole 78.74: POS(393.7,0)
  silkscreen extent -315,-512 709,512, body extent -303,-500 697,500, height 1772
SMA_DIO-L [mm]
  rect 1.799x1.579 smd paste+0 mask+0: 1(-1.971,0) 2(1.971,0)
  silkscreen extent -2.92,-1.59 2.92,1.59, body extent -2.8,-1.46 2.8,1.46, height 2.35
SOD-123 [mil]
  rect 48x30 smd: A(66,0) C(-66,0)
  silkscreen extent -56,-36 56,36, body extent -74,-33 74,33, height 47
SOD-923_0P6X0P85_ONS [mil]
  rect 15x10 smd paste+0 mask+0: 1(0,0) 2(42,0)
  silkscreen extent -25,-18 33,34, body extent 1,-14 42,13, height 9
SOIC127P600X175-8N [mil]
  rect 78x22 smd: 1(-97,75) 2(-97,25) 3(-97,-25) 4(-97,-75) 5(97,-75) 6(97,-25) 7(97,25) 8(97,75)
  silkscreen extent -54,-98 54,98, body extent -118,-96 118,96, height 69
SOP64P600X175-16N [mm] "SOP, 16-Leads, Body 4.90x3.91mm, Pitch 0.64mm, IPC Medium Density"
  rrect50% 1.45x0.435 smd mask+0.05: 1(-2.725,2.222) 2(-2.725,1.587) 3(-2.725,0.953) 4(-2.725,0.318) 5(-2.725,-0.318) 6(-2.725,-0.953) 7(-2.725,-1.587) 8(-2.725,-2.222) 9(2.725,-2.222) 10(2.725,-1.587) 11(2.725,-0.953) 12(2.725,-0.318) 13(2.725,0.318) 14(2.725,0.953) 15(2.725,1.587) 16(2.725,2.222)
  silkscreen extent -1.6,-2.5 1.6,2.5, body extent -2,-2.5 2,2.5, height 1.76
SOT95P237X112-3N [mm]
  rect 1.3x0.59 smd: 1(-1.025,0.95) 2(-1.025,-0.95) 3(1.025,0)
  silkscreen extent -2.39,-1.46 0.65,1.46, body extent -1.54,-1.5 1.29,1.5, height 1.2
SOT-23-5_MC_MCH-L [mil]
  rect 40x18 smd paste+0 mask+0: 1(0,0) 2(0,-37.4) 3(0,-74.8) 4(98,-74.8) 5(98,0)
  silkscreen extent 8,-103 90,29, body extent -14,-98 112,24, height 57
SOT-23A-3 [mm]
  rrect25% 1.38x0.6 smd: 1(0,0) 2(0,-1.9) 3(2.33,-0.95)
  silkscreen extent -1.43,-2.52 1.91,0.62, body extent -0.24,-2.45 2.59,0.55, height 1.2
SW_TL3305AF260QG [mm]
  rect 1.4x1.6 smd: 1(-1.5,3.6) 2(-1.5,-3.6) 3(1.5,3.6) 4(1.5,-3.6)
  silkscreen extent -2.8,-2.25 2.25,3.7, body extent -2.25,-3.75 2.25,3.75, height 3.7
TO127P1435X210-8N [mil]
  rect 31x103 smd: 1(-150,-334) 2(-100,-334) 3(-50,-334) 4(0,-334) 5(50,-334) 6(100,-334) 7(150,-334)
  rect 400x472.44 smd: 8(0,45.28)
  body extent -200,-356 200,196, height 79
"TO-247-3 - FaceDown" [mm]
  rect 2.52x2.52 hole 1.68: 1(0,0)
  round 2.52 hole 1.68: 2(5.56,0) 3(11.12,0)
  silkscreen extent -2.38,-2.04 13.5,2.44, body extent -2.39,-26.58 13.51,0.4, height 5.5
TP [mil] "Test point (40mil Standard)"
  round 40 hole 25: 1(0,0)
TP380X203 [mm]
  rect 3.8x2.03 smd: 1(0,0)

## Part data
+HV FB_CSN FB_CSP FB_D G_DIR G_ENCA G_ENCB G_SPD GND HRTBT PGND RX_OFF TX_OFF: "PC Test Point, Miniature Phosphor Bronze, Silver Plating Surface Mount Mounting Type", Package="2010 Keystone", Digi-Key_Part_Number=36-5019CT-ND, Digi-Key_Purchase_URL=https://www.digikey.com/product-detail/en/keystone-electronics/5019/36-5019CT-ND/3907344?utm_source=snapeda&utm_medium=aggregator&utm_campaign=symbol, MF="Keystone Electronics", MP=5019
BOOT RESET: library part "SW PUSH TACT NO SMD", "Tactile Switch SPST-NO Top Actuated Surface Mount", Package="LQFP-48 E-Switch", Supplier Part Number 1=EG5353CT-ND, Availability=Unavailable, MF=E-Switch, MP=TL3305AF260QG, Price=None, SnapEDA_Link=https://www.snapeda.com/parts/TL3305AF260QG/E-Switch/view-part/479903/?ref=snap, Supplier 1=Digi-Key
C1: library part "CAP 10nF 50V", "CAP CER 10000PF 50V X7R 0805", Operating Temperature="-55°C ~ 125°C", Package=0805, Rating=50V, Temperature Coefficient=X7R, Tolerance=10%
C2 C3 C15 C17 C24 C25 C26 C27 C28 C29: library part "CAP 10uF 35V", "CAP CER 10uF 35V X5R 1206/0805", Operating Temperature="-55°C ~ 85°C", Package=1206, Rating=35V, Temperature Coefficient=X5R, Tolerance=10%
C4: library part "CAP 1uF 35V", "CAP CER 1UF 35V X7R 0805", Operating Temperature="-55°C ~ 125°C", Package=0805, Rating=35V, Temperature Coefficient=X7R, Tolerance=10%
C5 C6 C7 C11 C12 C13: library part "CAP 22uF 16V", "CAP CER 22UF 16V X5R 0805", Operating Temperature="-55°C ~ 85°C", Package=0805, Rating=16V, Temperature Coefficient=X5R, Tolerance=10%
C8 C9 C16 C34: library part "CAP 10uF 16V", "CAP CER 10UF 16V X5R 0603/0805", Operating Temperature="-55°C ~ 85°C", Package=0603/0805, Rating=16V, Temperature Coefficient=X5R, Tolerance=10%
C10 C35 C40 C44 C45 C54 C55 C57: library part "CAP 0.10uF 16V", "CAP CER 0.10UF 16V X5R 0603/0805", Operating Temperature="-55°C ~ 85°C", Package=0603/0805, Rating=16V, Temperature Coefficient=X5R, Tolerance=10%
C14: library part "CAP 1500pF 25V", "CAP CER 1500pF 25V X7R 0603", Operating Temperature="-55C - +125C", Package=0603, Rating=25V, Temperature Coefficient=X7R, Tolerance=1%
C18 C19 C20: library part "CAP POL 100uF SMD", "CAP ALUM 100UF 35V SMD", Operating Temperature="-40°C ~ 85°C", Package=RADIAL, Rating=50V, Temperature Coefficient=Unspecified, Tolerance=20%, ComponentLink1Description="Digikey Link", ComponentLink1URL=https://www.digikey.ca/product-detail/en/panasonic-electronic-components/ECA-1HM100I/P10425CT-ND/8603345, Dimensions="0.197\" Dia (5.00mm)"
C21 C30 C33 C56 C58: library part "CAP 0.10uF 35V", "CAP CER 0.10UF 35V X7R 0603/0805", Operating Temperature="-55°C ~ 125°C", Package=0603/0805, Rating=35V, Temperature Coefficient=X7R, Tolerance=10%
C22 C23: library part "CAP POL 1000uF", "United Chemi-Con / ESMQ251VSN102MQ45S", Capacitance=1mF, Case/Package=Radial, Dielectric Material=Aluminium, Manufacturer="United Chemi-Con", Manufacturer Part Number=ESMQ251VSN102MQ45S, Max Operating Temperature=85°C, Min Operating Temperature=-40°C, Ripple Current=960mA, Supplier Part Number 1=565-2754-ND, Tolerance=20%, Voltage=250V, Diameter=25.4mm, Height - Seated (Max)=45mm, Lead Diameter=2mm, Lead Free="Lead Free", Lead Pitch=10mm, Life (Hours)=2000Hour, Mount="Through Hole,PCB", Number of Pins=2, REACH SVHC="No SVHC", RoHS=Yes, Supplier 1=Digi-Key, Termination=Radial
C31: library part "CAP 2.2uF 35V", "CAP CER 2.2UF 35V X7R 0603/0805", Operating Temperature="-55°C ~ 125°C", Package=0603/0805, Rating=35V, Temperature Coefficient=X7R, Tolerance=10%
C32: library part "CAP 0.1uF 630V", "CAP CER 0.1uF 630V X7R 1210", Operating Temperature="-55°C ~ 125°C", Package=1210, Rating=630V, Temperature Coefficient=X7R, Tolerance=10%
C36 C39 C60 C61 C62 C63 C64 C65 C66: library part "CAP 1.0uF 16V", "CAP CER 1.0UF 16V X5R 0603/0805", Operating Temperature="-55°C ~ 85°C", Package=0603/0805, Rating=16V, Temperature Coefficient=X5R, Tolerance=10%
C37 C38: library part "CAP 0.010uF 16V", "CAP CER 0.010UF 16V X5R 0603/0805", Operating Temperature="-55°C ~ 85°C", Package=0603/0805, Rating=16V, Temperature Coefficient=X5R, Tolerance=10%
C41 C42 C46 C47 C48 C49 C50 C51 C52 C53: library part "CAP 0.1uF 25V", "CAP CER 0.1UF 25V X7R 0805/0603", Operating Temperature="-55°C ~ 125°C", Rating=25V, Temperature Coefficient=X7R, Tolerance=10%
C59: library part "CAP 4.7uF 35V", "CAP CER 4.7UF 35V X7R 0603/0805", Operating Temperature="-55°C ~ 125°C", Package=0603/0805, Rating=35V, Temperature Coefficient=X7R, Tolerance=10%
D1 D16: library part "DIODE ZENER 12V 1W", "Zener Diode 12 V 1 W ±5% Surface Mount SMA", Mfr_Name="Diodes Inc", Supplier Part Number 1=621-SMAZ12-F, Copyright="Copyright (C) 2021 Ultra Librarian. All rights reserved.", Digi-Key_Part_Number_1=SMAZ12-FDICT-ND, Digi-Key_Part_Number_2=SMAZ12-FDIDKR-ND, Digi-Key_Part_Number_3=SMAZ12-FDITR-ND, Manufacturer_Part_Number=SMAZ12-13-F, RefDes=RefDes, Supplier 1=Mouser, Supplier 2=Newark, Supplier 3=Digi-Key, Supplier Part Number 2=23T8541, Supplier Part Number 3=SMAZ12-FDICT-ND, Type=DEV
D2: library part "DIODE SCHOTTKY 80V 5A", "Diode Schottky 80V 5A Surface Mount SMA", Current - Average Rectified (Io)=5A, Package=DO-214AB, Supplier Part Number 1=SK58L-TPMSCT-ND, Voltage - DC Reverse (Vr) (Max)=80V, Voltage - Forward (Vf) (Max) @ If="850 mV @ 5 A", Supplier 1=Digi-Key
D3 D5 D8: library part "LED GREEN SMD", "Typical RED, GREEN, YELLOW, AMBER GaAs LED", Color=Green, Current - Test=20mA, Package=1206, Voltage - Forward (Vf) (Typ)=2V, Lens Transparency=Clear
D4 D6: library part "DIODE SCHOTTKY 20V 1A", "Diode Schottky 20V 1A Surface Mount SOD-123FL", Current Rating=1A, Package=SOD-123, Voltage Rating=20V, ComponentLink1Description=digikey, ComponentLink1URL=https://www.digikey.ca/product-detail/en/on-semiconductor/MBR0540T1G/MBR0540T1GOSCT-ND/917967, Digikey=SM5817PL-TPMSCT-ND, Digikey Link=https://www.digikey.ca/product-detail/en/micro-commercial-co/SM5817PL-TP/SM5817PL-TPMSCT-ND/1793410, MF="Micro Commercial Co", MP=SM5817PL-TP, Supplier 1=Digi-Key, Supplier 2="Arrow Electronics", Supplier 3="Future Electronics", Supplier 4=Mouser
D7: "Diode Switching 600V 5A DPAK", Supplier Part Number 1=VS-5EWH06FN-M3-ND, Digikey=VS-5EWH06FN-M3-ND, Digikey Link=https://www.digikey.ca/en/products/detail/vishay-semiconductor-diodes-division/VS-5EWH06FN-M3/4934509, MF="Vishay Diodes", MF PN=VS-5EWH06FN-M3, Supplier 1=Digi-Key, Supplier 2=Newark, Supplier 3=Mouser, Supplier Part Number 2=82T9776, Supplier Part Number 3=78-VS-5EWH06FN-M3
D9: library part "DIODE ZENER 15V 3W", "Diode ZENER 15V 3W", Supplier Part Number 1=3SMBJ5929BTPMSCT-ND, Supplier 1=Digi-Key
D10: library part "DIODE ZENER 3.3 200mW", "Zener Diode 3.3 V 200 mW ±5% Surface Mount SOD-923", Mfr_Name="ON Semiconductor", Supplier Part Number 1=NZ9F3V3T5GOSCT-ND, Copyright="Copyright (C) 2021 Ultra Librarian. All rights reserved.", Digi-Key_Part_Number_1=NZ9F3V3T5GOSTR-ND, Digi-Key_Part_Number_2=NZ9F3V3T5GOSCT-ND, Digi-Key_Part_Number_3=NZ9F3V3T5GOSDKR-ND, Manufacturer_Part_Number=NZ9F3V3T5G, RefDes=RefDes, Supplier 1=Digi-Key, Type=DEV
D11: library part "DIODE TVS 3.3VR 3.5VBR", "3.3V Reverese Standoff, 3.5V Breakdown, 12.5V Clamp 40A (8/20µs) Ipp Tvs Diode SMD SOT-23", ComponentLink1Description="Octopart Link", ComponentLink1URL=https://octopart.com/search?q=SM3.3H-TP&currency=USD&specs=0
D12 D14: library part "DIODE FAST 600V 8A", "Diode Standard 600 V 8A Surface Mount SMC", Supplier Part Number 1=1740-MUR860JCT-ND, ComponentLink1Description="Octopart Link", ComponentLink1URL=https://octopart.com/search?q=MUR860J&currency=USD&specs=0, Supplier 1=DigiKey, Supplier 2=Digi-Key, Supplier 3=Newark, Supplier 4=Mouser, Supplier Part Number 2=1740-MUR860JCT-ND, Supplier Part Number 3=37AJ9020, Supplier Part Number 4=771-MUR860J
D13 D15: library part "DIODE TVS 14VR 15.6VBR", "23.2V Clamp 64.7A Ipp Tvs Diode Surface Mount DO-214AB (SMC), VR = 14V, VBR = 15.6V", Package=None, Supplier Part Number 1=SMCJ14ABCT-ND, Availability=Unavailable, MP=SMCJ14A, Price=None, Supplier 1=Digi-Key, Supplier 2=Mouser, Supplier Part Number 2=652-SMCJ14A
D17: library part "DIODE TVS 3.5 VWM 4 Channel", "- Clamp - Ipp Tvs Diode Surface Mount ESV 4 Channel", Manufacturer_Part_Number=df5a5.6cje(te85l, Mfr_Name="Toshiba Electronic Devices & Storage Co.", Supplier Part Number 1=DF5A5.6CJE,LMCT-ND, Copyright="Copyright (C) 2021 Ultra Librarian. All rights reserved.", Digi-Key_Part_Number_1=DF5A5.6CJE(TE85LF)TR-ND, Digi-Key_Part_Number_2=DF5A5.6CJE(TE85LF)CT-ND, Digi-Key_Part_Number_3=DF5A5.6CJE(TE85LF)DKR-ND, RefDes=RefDes, Supplier 1=Digi-Key, Type=DEV
F1: library part "FUSE BLADE", "Fuse Block 30A 500V 1 Circuit Blade Through Hole", Package="Nonstandard Keystone", Supplier Part Number 1=36-3557-2-ND, Availability=Unavailable, MF="Keystone Electronics", MP=3557-2, Price=None, SnapEDA_Link=https://www.snapeda.com/parts/3557-2/Keystone%20Electronics/view-part/278060/?ref=snap, Supplier 1=Digi-Key